# KiCad board Eclipse60.kicad_pcb (continued)
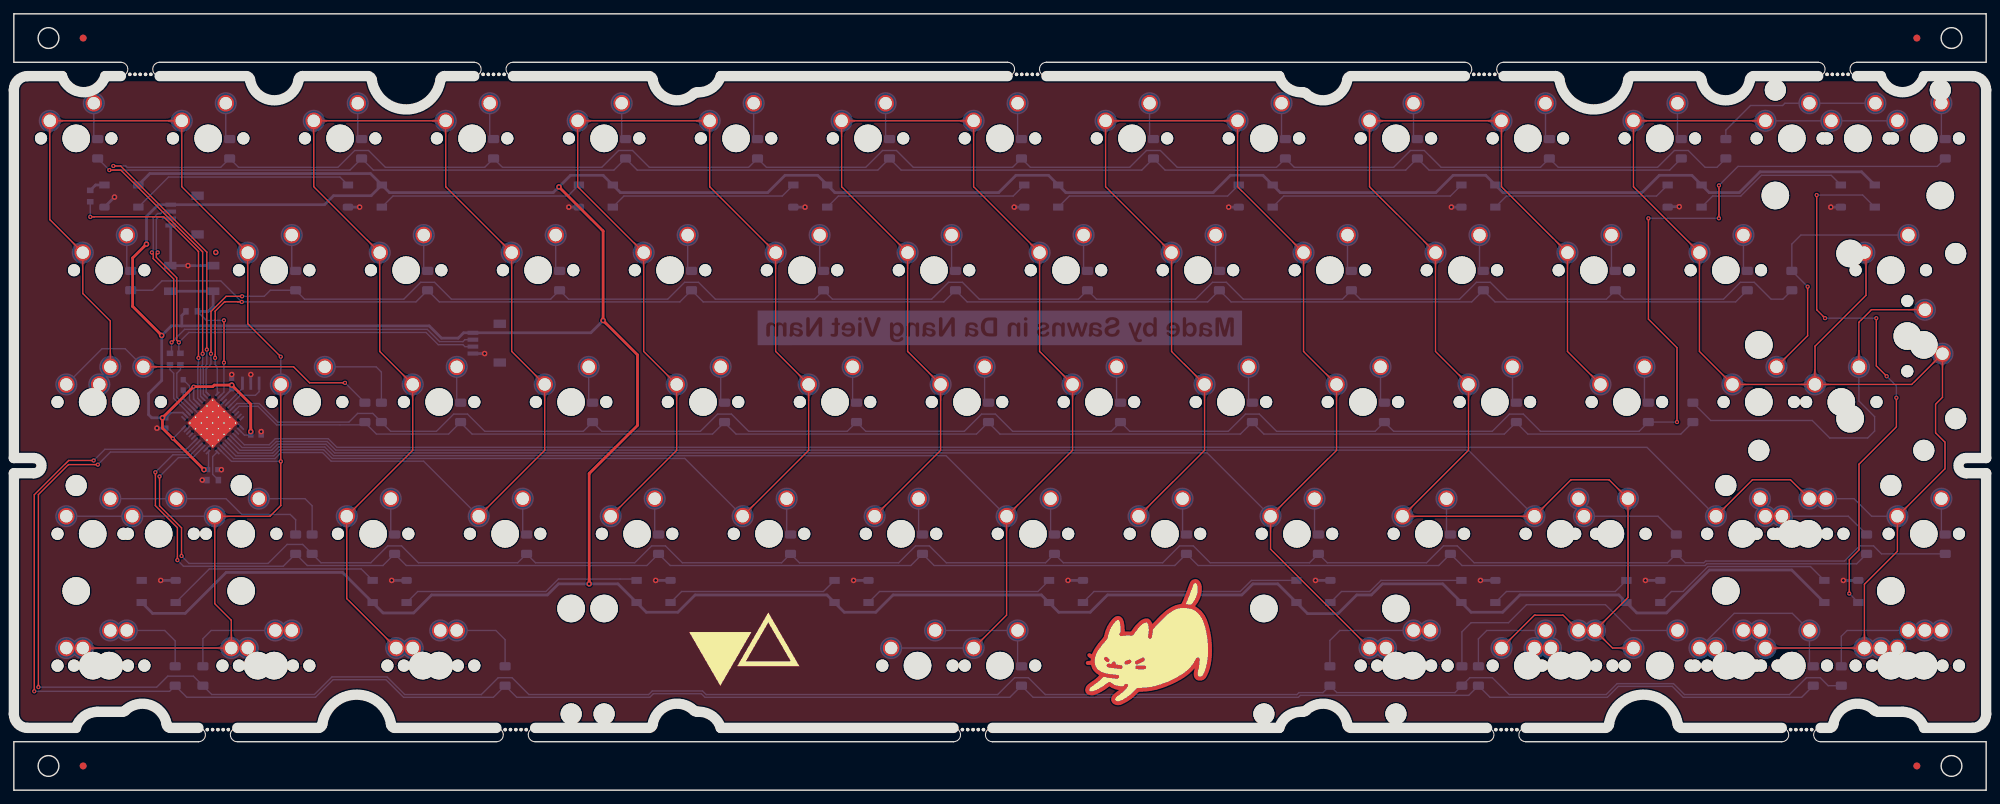
[diagram p0: board, top side]
## Copper pours and planes (outline as drawn; the poured copper is in the pictures) (continued)
Net-(D33-Pad2) on Top: 21.07,61.28 20.97,61.28 20.88,61.29 20.79,61.3 20.71,61.31 20.63,61.32 20.56,61.34 20.49,61.36 20.42,61.39 20.37,61.41 20.31,61.44 20.26,61.47 20.2,61.51 20.16,61.54 20.11,61.58 19.68,61.96 19.62,62 19.57,62.05 19.5,62.09 19.44,62.13 19.36,62.18 19.29,62.22 19.21,62.26 18.08,61.18 19.21,60.1 19.29,60.14 19.36,60.18 19.44,60.23 19.5,60.27 19.57,60.31 19.62,60.36 19.68,60.4 20.11,60.78 20.16,60.82 20.2,60.85 20.26,60.89 20.31,60.92 20.37,60.95 20.42,60.97 20.49,61 20.56,61.02 20.63,61.04 20.71,61.05 20.79,61.06 20.88,61.07 20.97,61.08 21.07,61.08
Net-(D33-Pad2) on Bottom: 16.36,63.36 16.45,63.27 16.54,63.17 16.61,63.08 16.68,62.99 16.74,62.9 16.79,62.81 16.83,62.73 16.87,62.65 16.9,62.56 16.92,62.48 16.94,62.4 16.96,62.32 16.97,62.24 16.98,62.16 16.98,62.08 16.99,62 17,61.58 17.01,61.49 17.01,61.39 17.02,61.3 17.04,61.2 17.05,61.1 17.08,60.99 17.1,60.88 17.13,60.77 17.17,60.65 19.25,60.61 19.21,62.69 19.09,62.73 18.98,62.76 18.87,62.79 18.76,62.81 18.66,62.83 18.56,62.84 18.47,62.85 18.38,62.86 18.29,62.86 17.86,62.87 17.78,62.88 17.7,62.89 17.62,62.89 17.54,62.91 17.46,62.92 17.38,62.94 17.3,62.97 17.22,63 17.13,63.03 17.05,63.08 16.96,63.13 16.88,63.19 16.79,63.25 16.69,63.33 16.6,63.41 16.5,63.51
Net-(D33-Pad2) on Bottom: 16.92,62.8 16.99,62.73 17.06,62.65 17.11,62.59 17.16,62.52 17.21,62.45 17.24,62.39 17.28,62.33 17.31,62.26 17.33,62.2 17.35,62.14 17.36,62.08 17.38,62.02 17.39,61.96 17.39,61.91 17.43,61.34 17.44,61.26 17.45,61.19 17.46,61.12 17.48,61.04 17.5,60.96 17.52,60.87 17.55,60.79 19.11,60.76 19.08,62.31 18.99,62.34 18.91,62.37 18.83,62.39 18.75,62.4 18.67,62.42 18.6,62.43 18.53,62.43 17.96,62.47 17.9,62.48 17.84,62.49 17.78,62.5 17.72,62.52 17.66,62.53 17.6,62.56 17.54,62.59 17.47,62.62 17.41,62.66 17.35,62.7 17.28,62.75 17.21,62.81 17.14,62.87 17.06,62.94
Net-(D33-Pad2) on Bottom: 9.19,60.4 9.12,60.33 9.05,60.27 8.98,60.21 8.91,60.16 8.84,60.12 8.78,60.08 8.72,60.05 8.66,60.02 8.59,59.99 8.53,59.98 8.47,59.96 8.42,59.95 8.36,59.94 8.3,59.93 7.73,59.89 7.66,59.89 7.58,59.88 7.51,59.86 7.43,59.85 7.35,59.83 7.26,59.8 7.18,59.77 7.15,58.22 8.7,58.25 8.73,58.33 8.76,58.42 8.78,58.5 8.79,58.58 8.81,58.65 8.82,58.72 8.82,58.8 8.86,59.37 8.87,59.42 8.88,59.48 8.89,59.54 8.91,59.6 8.93,59.66 8.95,59.72 8.98,59.79 9.01,59.85 9.05,59.91 9.09,59.98 9.14,60.05 9.2,60.11 9.26,60.19 9.33,60.26
Net-(D33-Pad2) on Bottom: 9.76,60.97 9.66,60.87 9.56,60.79 9.47,60.71 9.38,60.65 9.29,60.59 9.2,60.54 9.12,60.49 9.04,60.46 8.96,60.43 8.87,60.4 8.79,60.38 8.71,60.37 8.63,60.35 8.55,60.35 8.47,60.34 8.39,60.33 7.97,60.32 7.88,60.32 7.79,60.31 7.69,60.3 7.59,60.29 7.49,60.27 7.39,60.25 7.28,60.22 7.16,60.19 7.05,60.15 7.01,58.07 9.08,58.11 9.12,58.23 9.15,58.34 9.18,58.45 9.2,58.56 9.22,58.66 9.23,58.76 9.24,58.85 9.25,58.95 9.25,59.04 9.27,59.46 9.27,59.54 9.28,59.62 9.29,59.7 9.3,59.78 9.31,59.86 9.33,59.94 9.36,60.02 9.39,60.11 9.43,60.19 9.47,60.27 9.52,60.36 9.58,60.45 9.64,60.54 9.72,60.63 9.8,60.73 9.9,60.82
Net-(D33-Pad2) on Bottom: 49.76,56.77 50.11,55.8 50.88,55.79 50.87,56.57 49.9,56.91
Net-(D34-Pad2) on Bottom: 52.95,57.19 52.51,56.26 53.05,55.7 53.59,56.26 53.15,57.19
Net-(D34-Pad2) on Bottom: 48.07,61.28 47.93,61.28 47.8,61.29 47.68,61.3 47.57,61.32 47.47,61.34 47.37,61.37 47.28,61.4 47.2,61.43 47.12,61.47 47.05,61.5 46.97,61.55 46.91,61.59 46.84,61.64 46.78,61.69 46.72,61.74 46.66,61.8 46.35,62.09 46.28,62.15 46.21,62.21 46.14,62.27 46.06,62.33 45.97,62.39 45.88,62.45 45.79,62.51 45.68,62.56 45.57,62.62 44.08,61.18 45.57,59.74 45.68,59.8 45.79,59.85 45.88,59.91 45.97,59.97 46.06,60.03 46.14,60.09 46.21,60.15 46.28,60.21 46.35,60.27 46.66,60.56 46.72,60.62 46.78,60.67 46.84,60.72 46.91,60.77 46.97,60.81 47.05,60.85 47.12,60.89 47.2,60.93 47.28,60.96 47.37,60.99 47.47,61.02 47.57,61.04 47.68,61.06 47.8,61.07 47.93,61.08 48.07,61.08
Net-(D34-Pad2) on Bottom: 47.27,61.28 47.17,61.28 47.07,61.29 46.98,61.3 46.9,61.31 46.82,61.32 46.75,61.34 46.68,61.36 46.62,61.39 46.56,61.41 46.5,61.44 46.45,61.47 46.4,61.51 46.35,61.54 46.3,61.58 45.87,61.96 45.82,62 45.76,62.05 45.7,62.09 45.63,62.13 45.56,62.18 45.48,62.22 45.4,62.26 44.28,61.18 45.4,60.1 45.48,60.14 45.56,60.18 45.63,60.23 45.7,60.27 45.76,60.31 45.82,60.36 45.87,60.4 46.3,60.78 46.35,60.82 46.4,60.85 46.45,60.89 46.5,60.92 46.56,60.95 46.62,60.97 46.68,61 46.75,61.02 46.82,61.04 46.9,61.05 46.98,61.06 47.07,61.07 47.17,61.08 47.27,61.08
Net-(D35-Pad2) on Bottom: 64.03,57.99 64.03,58.13 64.04,58.25 64.05,58.37 64.07,58.48 64.09,58.59 64.11,58.68 64.14,58.77 64.18,58.86 64.21,58.94 64.25,59.01 64.3,59.08 64.34,59.15 64.39,59.22 64.44,59.28 64.49,59.34 64.54,59.4 64.84,59.71 64.9,59.78 64.96,59.85 65.02,59.92 65.08,60 65.14,60.08 65.2,60.17 65.25,60.27 65.31,60.37 65.37,60.48 63.93,61.98 62.49,60.48 62.54,60.37 62.6,60.27 62.66,60.17 62.72,60.08 62.78,60 62.84,59.92 62.9,59.85 62.96,59.78 63.02,59.71 63.31,59.4 63.36,59.34 63.42,59.28 63.47,59.22 63.51,59.15 63.56,59.08 63.6,59.01 63.64,58.94 63.68,58.86 63.71,58.77 63.74,58.68 63.77,58.59 63.79,58.48 63.8,58.37 63.82,58.25 63.82,58.13 63.83,57.99
Net-(D35-Pad2) on Bottom: 64.03,58.79 64.03,58.89 64.03,58.99 64.04,59.08 64.06,59.16 64.07,59.24 64.09,59.31 64.11,59.38 64.14,59.44 64.16,59.5 64.19,59.55 64.22,59.61 64.25,59.66 64.29,59.71 64.33,59.76 64.7,60.18 64.75,60.24 64.79,60.3 64.84,60.36 64.88,60.43 64.92,60.5 64.97,60.58 65.01,60.66 63.93,61.78 62.85,60.66 62.89,60.58 62.93,60.5 62.97,60.43 63.02,60.36 63.06,60.3 63.11,60.24 63.15,60.18 63.53,59.76 63.57,59.71 63.6,59.66 63.63,59.61 63.66,59.55 63.69,59.5 63.72,59.44 63.74,59.38 63.76,59.31 63.78,59.24 63.8,59.16 63.81,59.08 63.82,58.99 63.83,58.89 63.83,58.79
Net-(D36-Pad2) on Bottom: 83.08,57.99 83.08,58.13 83.09,58.25 83.1,58.37 83.12,58.48 83.14,58.59 83.16,58.68 83.19,58.77 83.23,58.86 83.26,58.94 83.3,59.01 83.35,59.08 83.39,59.15 83.44,59.22 83.49,59.28 83.54,59.34 83.59,59.4 83.89,59.71 83.95,59.78 84.01,59.85 84.07,59.92 84.13,60 84.19,60.08 84.25,60.17 84.3,60.27 84.36,60.37 84.42,60.48 82.98,61.98 81.54,60.48 81.59,60.37 81.65,60.27 81.71,60.17 81.77,60.08 81.83,60 81.89,59.92 81.95,59.85 82.01,59.78 82.07,59.71 82.36,59.4 82.41,59.34 82.47,59.28 82.52,59.22 82.56,59.15 82.61,59.08 82.65,59.01 82.69,58.94 82.73,58.86 82.76,58.77 82.79,58.68 82.82,58.59 82.84,58.48 82.85,58.37 82.87,58.25 82.87,58.13 82.88,57.99
Net-(D36-Pad2) on Bottom: 83.08,58.79 83.08,58.89 83.08,58.99 83.09,59.08 83.11,59.16 83.12,59.24 83.14,59.31 83.16,59.38 83.19,59.44 83.21,59.5 83.24,59.55 83.27,59.61 83.3,59.66 83.34,59.71 83.38,59.76 83.75,60.18 83.8,60.24 83.84,60.3 83.89,60.36 83.93,60.43 83.97,60.5 84.02,60.58 84.06,60.66 82.98,61.78 81.9,60.66 81.94,60.58 81.98,60.5 82.02,60.43 82.07,60.36 82.11,60.3 82.16,60.24 82.2,60.18 82.58,59.76 82.62,59.71 82.65,59.66 82.68,59.61 82.71,59.55 82.74,59.5 82.77,59.44 82.79,59.38 82.81,59.31 82.83,59.24 82.85,59.16 82.86,59.08 82.87,58.99 82.88,58.89 82.88,58.79
Net-(D37-Pad2) on Bottom: 102.13,57.99 102.13,58.13 102.14,58.25 102.15,58.37 102.17,58.48 102.19,58.59 102.21,58.68 102.24,58.77 102.28,58.86 102.31,58.94 102.35,59.01 102.4,59.08 102.44,59.15 102.49,59.22 102.54,59.28 102.59,59.34 102.64,59.4 102.94,59.71 103,59.78 103.06,59.85 103.12,59.92 103.18,60 103.24,60.08 103.3,60.17 103.35,60.27 103.41,60.37 103.47,60.48 102.03,61.98 100.59,60.48 100.64,60.37 100.7,60.27 100.76,60.17 100.82,60.08 100.88,60 100.94,59.92 101,59.85 101.06,59.78 101.12,59.71 101.41,59.4 101.46,59.34 101.52,59.28 101.57,59.22 101.61,59.15 101.66,59.08 101.7,59.01 101.74,58.94 101.78,58.86 101.81,58.77 101.84,58.68 101.87,58.59 101.89,58.48 101.9,58.37 101.92,58.25 101.92,58.13 101.93,57.99
Net-(D37-Pad2) on Bottom: 102.13,58.79 102.13,58.89 102.13,58.99 102.14,59.08 102.16,59.16 102.17,59.24 102.19,59.31 102.21,59.38 102.24,59.44 102.26,59.5 102.29,59.55 102.32,59.61 102.35,59.66 102.39,59.71 102.43,59.76 102.8,60.18 102.85,60.24 102.89,60.3 102.94,60.36 102.98,60.43 103.02,60.5 103.07,60.58 103.11,60.66 102.03,61.78 100.95,60.66 100.99,60.58 101.03,60.5 101.07,60.43 101.12,60.36 101.16,60.3 101.21,60.24 101.25,60.18 101.63,59.76 101.67,59.71 101.7,59.66 101.73,59.61 101.76,59.55 101.79,59.5 101.82,59.44 101.84,59.38 101.86,59.31 101.88,59.24 101.9,59.16 101.91,59.08 101.92,58.99 101.93,58.89 101.93,58.79
Net-(D38-Pad2) on Bottom: 121.18,57.99 121.18,58.13 121.19,58.25 121.2,58.37 121.22,58.48 121.24,58.59 121.26,58.68 121.29,58.77 121.33,58.86 121.36,58.94 121.4,59.01 121.45,59.08 121.49,59.15 121.54,59.22 121.59,59.28 121.64,59.34 121.69,59.4 121.99,59.71 122.05,59.78 122.11,59.85 122.17,59.92 122.23,60 122.29,60.08 122.35,60.17 122.4,60.27 122.46,60.37 122.52,60.48 121.08,61.98 119.64,60.48 119.69,60.37 119.75,60.27 119.81,60.17 119.87,60.08 119.93,60 119.99,59.92 120.05,59.85 120.11,59.78 120.17,59.71 120.46,59.4 120.51,59.34 120.57,59.28 120.62,59.22 120.66,59.15 120.71,59.08 120.75,59.01 120.79,58.94 120.83,58.86 120.86,58.77 120.89,58.68 120.92,58.59 120.94,58.48 120.95,58.37 120.97,58.25 120.97,58.13 120.98,57.99
Net-(D38-Pad2) on Bottom: 121.18,58.79 121.18,58.89 121.18,58.99 121.19,59.08 121.21,59.16 121.22,59.24 121.24,59.31 121.26,59.38 121.29,59.44 121.31,59.5 121.34,59.55 121.37,59.61 121.4,59.66 121.44,59.71 121.48,59.76 121.85,60.18 121.9,60.24 121.94,60.3 121.99,60.36 122.03,60.43 122.07,60.5 122.12,60.58 122.16,60.66 121.08,61.78 120,60.66 120.04,60.58 120.08,60.5 120.12,60.43 120.17,60.36 120.21,60.3 120.26,60.24 120.3,60.18 120.68,59.76 120.72,59.71 120.75,59.66 120.78,59.61 120.81,59.55 120.84,59.5 120.87,59.44 120.89,59.38 120.91,59.31 120.93,59.24 120.95,59.16 120.96,59.08 120.97,58.99 120.98,58.89 120.98,58.79
Net-(D39-Pad2) on Bottom: 140.23,57.99 140.23,58.13 140.24,58.25 140.25,58.37 140.27,58.48 140.29,58.59 140.31,58.68 140.34,58.77 140.38,58.86 140.41,58.94 140.45,59.01 140.5,59.08 140.54,59.15 140.59,59.22 140.64,59.28 140.69,59.34 140.74,59.4 141.04,59.71 141.1,59.78 141.16,59.85 141.22,59.92 141.28,60 141.34,60.08 141.4,60.17 141.45,60.27 141.51,60.37 141.57,60.48 140.13,61.98 138.69,60.48 138.74,60.37 138.8,60.27 138.86,60.17 138.92,60.08 138.98,60 139.04,59.92 139.1,59.85 139.16,59.78 139.22,59.71 139.51,59.4 139.56,59.34 139.62,59.28 139.67,59.22 139.71,59.15 139.76,59.08 139.8,59.01 139.84,58.94 139.88,58.86 139.91,58.77 139.94,58.68 139.97,58.59 139.99,58.48 140,58.37 140.02,58.25 140.02,58.13 140.03,57.99
Net-(D39-Pad2) on Bottom: 140.23,58.79 140.23,58.89 140.23,58.99 140.24,59.08 140.26,59.16 140.27,59.24 140.29,59.31 140.31,59.38 140.34,59.44 140.36,59.5 140.39,59.55 140.42,59.61 140.45,59.66 140.49,59.71 140.53,59.76 140.9,60.18 140.95,60.24 140.99,60.3 141.04,60.36 141.08,60.43 141.12,60.5 141.17,60.58 141.21,60.66 140.13,61.78 139.05,60.66 139.09,60.58 139.13,60.5 139.17,60.43 139.22,60.36 139.26,60.3 139.31,60.24 139.35,60.18 139.73,59.76 139.77,59.71 139.8,59.66 139.83,59.61 139.86,59.55 139.89,59.5 139.92,59.44 139.94,59.38 139.96,59.31 139.98,59.24 140,59.16 140.01,59.08 140.02,58.99 140.03,58.89 140.03,58.79
Net-(D40-Pad2) on Bottom: 159.28,57.99 159.28,58.13 159.29,58.25 159.3,58.37 159.32,58.48 159.34,58.59 159.36,58.68 159.39,58.77 159.43,58.86 159.46,58.94 159.5,59.01 159.55,59.08 159.59,59.15 159.64,59.22 159.69,59.28 159.74,59.34 159.79,59.4 160.09,59.71 160.15,59.78 160.21,59.85 160.27,59.92 160.33,60 160.39,60.08 160.45,60.17 160.5,60.27 160.56,60.37 160.62,60.48 159.18,61.98 157.74,60.48 157.79,60.37 157.85,60.27 157.91,60.17 157.97,60.08 158.03,60 158.09,59.92 158.15,59.85 158.21,59.78 158.27,59.71 158.56,59.4 158.61,59.34 158.67,59.28 158.72,59.22 158.76,59.15 158.81,59.08 158.85,59.01 158.89,58.94 158.93,58.86 158.96,58.77 158.99,58.68 159.02,58.59 159.04,58.48 159.05,58.37 159.07,58.25 159.07,58.13 159.08,57.99
Net-(D40-Pad2) on Bottom: 159.28,58.79 159.28,58.89 159.28,58.99 159.29,59.08 159.31,59.16 159.32,59.24 159.34,59.31 159.36,59.38 159.39,59.44 159.41,59.5 159.44,59.55 159.47,59.61 159.5,59.66 159.54,59.71 159.58,59.76 159.95,60.18 160,60.24 160.04,60.3 160.09,60.36 160.13,60.43 160.17,60.5 160.22,60.58 160.26,60.66 159.18,61.78 158.1,60.66 158.14,60.58 158.18,60.5 158.22,60.43 158.27,60.36 158.31,60.3 158.36,60.24 158.4,60.18 158.78,59.76 158.82,59.71 158.85,59.66 158.88,59.61 158.91,59.55 158.94,59.5 158.97,59.44 158.99,59.38 159.01,59.31 159.03,59.24 159.05,59.16 159.06,59.08 159.07,58.99 159.08,58.89 159.08,58.79
Net-(D41-Pad2) on Bottom: 178.33,57.99 178.33,58.13 178.34,58.25 178.35,58.37 178.37,58.48 178.39,58.59 178.41,58.68 178.44,58.77 178.48,58.86 178.51,58.94 178.55,59.01 178.6,59.08 178.64,59.15 178.69,59.22 178.74,59.28 178.79,59.34 178.84,59.4 179.14,59.71 179.2,59.78 179.26,59.85 179.32,59.92 179.38,60 179.44,60.08 179.5,60.17 179.55,60.27 179.61,60.37 179.67,60.48 178.23,61.98 176.79,60.48 176.84,60.37 176.9,60.27 176.96,60.17 177.02,60.08 177.08,60 177.14,59.92 177.2,59.85 177.26,59.78 177.32,59.71 177.61,59.4 177.66,59.34 177.72,59.28 177.77,59.22 177.81,59.15 177.86,59.08 177.9,59.01 177.94,58.94 177.98,58.86 178.01,58.77 178.04,58.68 178.07,58.59 178.09,58.48 178.1,58.37 178.12,58.25 178.12,58.13 178.13,57.99
Net-(D41-Pad2) on Bottom: 178.33,58.79 178.33,58.89 178.33,58.99 178.34,59.08 178.36,59.16 178.37,59.24 178.39,59.31 178.41,59.38 178.44,59.44 178.46,59.5 178.49,59.55 178.52,59.61 178.55,59.66 178.59,59.71 178.63,59.76 179,60.18 179.05,60.24 179.09,60.3 179.14,60.36 179.18,60.43 179.22,60.5 179.27,60.58 179.31,60.66 178.23,61.78 177.15,60.66 177.19,60.58 177.23,60.5 177.27,60.43 177.32,60.36 177.36,60.3 177.41,60.24 177.45,60.18 177.83,59.76 177.87,59.71 177.9,59.66 177.93,59.61 177.96,59.55 177.99,59.5 178.02,59.44 178.04,59.38 178.06,59.31 178.08,59.24 178.1,59.16 178.11,59.08 178.12,58.99 178.13,58.89 178.13,58.79
Net-(D42-Pad2) on Bottom: 197.38,57.99 197.38,58.13 197.39,58.25 197.4,58.37 197.42,58.48 197.44,58.59 197.46,58.68 197.49,58.77 197.53,58.86 197.56,58.94 197.6,59.01 197.65,59.08 197.69,59.15 197.74,59.22 197.79,59.28 197.84,59.34 197.89,59.4 198.19,59.71 198.25,59.78 198.31,59.85 198.37,59.92 198.43,60 198.49,60.08 198.55,60.17 198.6,60.27 198.66,60.37 198.72,60.48 197.28,61.98 195.84,60.48 195.89,60.37 195.95,60.27 196.01,60.17 196.07,60.08 196.13,60 196.19,59.92 196.25,59.85 196.31,59.78 196.37,59.71 196.66,59.4 196.71,59.34 196.77,59.28 196.82,59.22 196.86,59.15 196.91,59.08 196.95,59.01 196.99,58.94 197.03,58.86 197.06,58.77 197.09,58.68 197.12,58.59 197.14,58.48 197.15,58.37 197.17,58.25 197.17,58.13 197.18,57.99
Net-(D42-Pad2) on Bottom: 197.38,58.79 197.38,58.89 197.38,58.99 197.39,59.08 197.41,59.16 197.42,59.24 197.44,59.31 197.46,59.38 197.49,59.44 197.51,59.5 197.54,59.55 197.57,59.61 197.6,59.66 197.64,59.71 197.68,59.76 198.05,60.18 198.1,60.24 198.14,60.3 198.19,60.36 198.23,60.43 198.27,60.5 198.32,60.58 198.36,60.66 197.28,61.78 196.2,60.66 196.24,60.58 196.28,60.5 196.32,60.43 196.37,60.36 196.41,60.3 196.46,60.24 196.5,60.18 196.88,59.76 196.92,59.71 196.95,59.66 196.98,59.61 197.01,59.55 197.04,59.5 197.07,59.44 197.09,59.38 197.11,59.31 197.13,59.24 197.15,59.16 197.16,59.08 197.17,58.99 197.18,58.89 197.18,58.79
Net-(D43-Pad2) on Bottom: 216.43,57.99 216.43,58.13 216.44,58.25 216.45,58.37 216.47,58.48 216.49,58.59 216.51,58.68 216.54,58.77 216.58,58.86 216.61,58.94 216.65,59.01 216.7,59.08 216.74,59.15 216.79,59.22 216.84,59.28 216.89,59.34 216.94,59.4 217.24,59.71 217.3,59.78 217.36,59.85 217.42,59.92 217.48,60 217.54,60.08 217.6,60.17 217.65,60.27 217.71,60.37 217.77,60.48 216.33,61.98 214.89,60.48 214.94,60.37 215,60.27 215.06,60.17 215.12,60.08 215.18,60 215.24,59.92 215.3,59.85 215.36,59.78 215.42,59.71 215.71,59.4 215.76,59.34 215.82,59.28 215.87,59.22 215.91,59.15 215.96,59.08 216,59.01 216.04,58.94 216.08,58.86 216.11,58.77 216.14,58.68 216.17,58.59 216.19,58.48 216.2,58.37 216.22,58.25 216.22,58.13 216.23,57.99
Net-(D43-Pad2) on Bottom: 216.43,58.79 216.43,58.89 216.43,58.99 216.44,59.08 216.46,59.16 216.47,59.24 216.49,59.31 216.51,59.38 216.54,59.44 216.56,59.5 216.59,59.55 216.62,59.61 216.65,59.66 216.69,59.71 216.73,59.76 217.1,60.18 217.15,60.24 217.19,60.3 217.24,60.36 217.28,60.43 217.32,60.5 217.37,60.58 217.41,60.66 216.33,61.78 215.25,60.66 215.29,60.58 215.33,60.5 215.37,60.43 215.42,60.36 215.46,60.3 215.51,60.24 215.55,60.18 215.93,59.76 215.97,59.71 216,59.66 216.03,59.61 216.06,59.55 216.09,59.5 216.12,59.44 216.14,59.38 216.16,59.31 216.18,59.24 216.2,59.16 216.21,59.08 216.22,58.99 216.23,58.89 216.23,58.79
Net-(D44-Pad2) on Bottom: 235.48,57.99 235.48,58.13 235.49,58.25 235.5,58.37 235.52,58.48 235.54,58.59 235.56,58.68 235.59,58.77 235.63,58.86 235.66,58.94 235.7,59.01 235.75,59.08 235.79,59.15 235.84,59.22 235.89,59.28 235.94,59.34 235.99,59.4 236.29,59.71 236.35,59.78 236.41,59.85 236.47,59.92 236.53,60 236.59,60.08 236.65,60.17 236.7,60.27 236.76,60.37 236.82,60.48 235.38,61.98 233.94,60.48 233.99,60.37 234.05,60.27 234.11,60.17 234.17,60.08 234.23,60 234.29,59.92 234.35,59.85 234.41,59.78 234.47,59.71 234.76,59.4 234.81,59.34 234.87,59.28 234.92,59.22 234.96,59.15 235.01,59.08 235.05,59.01 235.09,58.94 235.13,58.86 235.16,58.77 235.19,58.68 235.22,58.59 235.24,58.48 235.25,58.37 235.27,58.25 235.27,58.13 235.28,57.99
Net-(D44-Pad2) on Bottom: 235.48,58.79 235.48,58.89 235.48,58.99 235.49,59.08 235.51,59.16 235.52,59.24 235.54,59.31 235.56,59.38 235.59,59.44 235.61,59.5 235.64,59.55 235.67,59.61 235.7,59.66 235.74,59.71 235.78,59.76 236.15,60.18 236.2,60.24 236.24,60.3 236.29,60.36 236.33,60.43 236.37,60.5 236.42,60.58 236.46,60.66 235.38,61.78 234.3,60.66 234.34,60.58 234.38,60.5 234.42,60.43 234.47,60.36 234.51,60.3 234.56,60.24 234.6,60.18 234.98,59.76 235.02,59.71 235.05,59.66 235.08,59.61 235.11,59.55 235.14,59.5 235.17,59.44 235.19,59.38 235.21,59.31 235.23,59.24 235.25,59.16 235.26,59.08 235.27,58.99 235.28,58.89 235.28,58.79
Net-(D45-Pad2) on Top: 273.47,69.33 273.57,69.33 273.67,69.33 273.75,69.32 273.84,69.31 273.91,69.29 273.99,69.27 274.05,69.25 274.12,69.23 274.18,69.2 274.23,69.17 274.29,69.14 274.34,69.11 274.39,69.07 274.43,69.04 274.86,68.66 274.92,68.61 274.98,68.57 275.04,68.53 275.11,68.48 275.18,68.44 275.25,68.4 275.34,68.35 276.46,69.43 275.34,70.51 275.25,70.47 275.18,70.43 275.11,70.39 275.04,70.34 274.98,70.3 274.92,70.26 274.86,70.21 274.43,69.83 274.39,69.8 274.34,69.76 274.29,69.73 274.23,69.7 274.18,69.67 274.12,69.64 274.05,69.62 273.99,69.6 273.91,69.58 273.84,69.56 273.75,69.55 273.67,69.54 273.57,69.54 273.47,69.53
Net-(D45-Pad2) on Top: 266.23,63.57 266.23,63.47 266.23,63.37 266.22,63.28 266.21,63.2 266.19,63.12 266.17,63.05 266.15,62.98 266.13,62.92 266.1,62.86 266.07,62.81 266.04,62.75 266.01,62.7 265.97,62.65 265.94,62.6 265.56,62.18 265.51,62.12 265.47,62.06 265.42,62 265.38,61.93 265.34,61.86 265.3,61.78 265.25,61.7 266.33,60.58 267.41,61.7 267.37,61.78 267.33,61.86 267.29,61.93 267.24,62 267.2,62.06 267.15,62.12 267.11,62.18 266.73,62.6 266.7,62.65 266.66,62.7 266.63,62.75 266.6,62.81 266.57,62.86 266.54,62.92 266.52,62.98 266.5,63.05 266.48,63.12 266.46,63.2 266.45,63.28 266.44,63.37 266.44,63.47 266.43,63.57
Net-(D45-Pad2) on Bottom: 266.43,58.79 266.44,58.89 266.44,58.99 266.45,59.08 266.46,59.16 266.48,59.24 266.5,59.31 266.52,59.38 266.54,59.44 266.57,59.5 266.6,59.55 266.63,59.61 266.66,59.66 266.7,59.71 266.73,59.76 267.11,60.18 267.15,60.24 267.2,60.3 267.24,60.36 267.29,60.43 267.33,60.5 267.37,60.58 267.41,60.66 266.33,61.78 265.25,60.66 265.3,60.58 265.34,60.5 265.38,60.43 265.42,60.36 265.47,60.3 265.51,60.24 265.56,60.18 265.94,59.76 265.97,59.71 266.01,59.66 266.04,59.61 266.07,59.55 266.1,59.5 266.13,59.44 266.15,59.38 266.17,59.31 266.19,59.24 266.21,59.16 266.22,59.08 266.23,58.99 266.23,58.89 266.23,58.79
Net-(D45-Pad2) on Bottom: 266.43,57.99 266.44,58.13 266.44,58.25 266.46,58.37 266.47,58.48 266.49,58.59 266.52,58.68 266.55,58.77 266.58,58.86 266.62,58.94 266.66,59.01 266.7,59.08 266.75,59.15 266.79,59.22 266.84,59.28 266.9,59.34 266.95,59.4 267.24,59.71 267.3,59.78 267.36,59.85 267.42,59.92 267.48,60 267.54,60.08 267.6,60.17 267.66,60.27 267.72,60.37 267.77,60.48 266.33,61.98 264.89,60.48 264.95,60.37 265.01,60.27 265.07,60.17 265.12,60.08 265.18,60 265.24,59.92 265.31,59.85 265.37,59.78 265.43,59.71 265.72,59.4 265.77,59.34 265.82,59.28 265.87,59.22 265.92,59.15 265.97,59.08 266.01,59.01 266.05,58.94 266.08,58.86 266.12,58.77 266.15,58.68 266.17,58.59 266.19,58.48 266.21,58.37 266.22,58.25 266.23,58.13 266.23,57.99
Net-(D45-Pad2) on Bottom: 243.27,55.23 242.93,56.2 242.15,56.21 242.17,55.43 243.13,55.09
Net-(D49-Pad2) on Bottom: 17.11,42.23 16.97,42.23 16.85,42.24 16.73,42.25 16.62,42.27 16.51,42.29 16.42,42.32 16.33,42.35 16.24,42.38 16.16,42.42 16.09,42.45 16.02,42.5 15.95,42.54 15.89,42.59 15.82,42.64 15.76,42.69 15.7,42.75 15.39,43.04 15.32,43.1 15.25,43.16 15.18,43.22 15.1,43.28 15.02,43.34 14.93,43.4 14.83,43.46 14.73,43.51 14.62,43.57 13.12,42.13 14.62,40.69 14.73,40.75 14.83,40.8 14.93,40.86 15.02,40.92 15.1,40.98 15.18,41.04 15.25,41.1 15.32,41.16 15.39,41.22 15.7,41.51 15.76,41.57 15.82,41.62 15.89,41.67 15.95,41.72 16.02,41.76 16.09,41.8 16.16,41.84 16.24,41.88 16.33,41.91 16.42,41.94 16.51,41.97 16.62,41.99 16.73,42.01 16.85,42.02 16.97,42.03 17.11,42.03
Net-(D49-Pad2) on Bottom: 16.31,42.23 16.21,42.23 16.11,42.24 16.03,42.25 15.94,42.26 15.87,42.27 15.79,42.29 15.73,42.31 15.66,42.34 15.6,42.36 15.55,42.39 15.49,42.42 15.44,42.46 15.39,42.49 15.35,42.53 14.92,42.91 14.86,42.95 14.8,43 14.74,43.04 14.67,43.08 14.6,43.13 14.53,43.17 14.44,43.21 13.32,42.13 14.44,41.05 14.53,41.09 14.6,41.13 14.67,41.18 14.74,41.22 14.8,41.26 14.86,41.31 14.92,41.35 15.35,41.73 15.39,41.77 15.44,41.8 15.49,41.84 15.55,41.87 15.6,41.9 15.66,41.92 15.73,41.95 15.79,41.97 15.87,41.99 15.94,42 16.03,42.01 16.11,42.02 16.21,42.03 16.31,42.03
Net-(D49-Pad2) on Bottom: 20.26,42.03 20.39,42.03 20.52,42.02 20.64,42.01 20.75,41.99 20.85,41.97 20.95,41.94 21.04,41.91 21.12,41.88 21.2,41.84 21.28,41.8 21.35,41.76 21.42,41.72 21.48,41.67 21.55,41.62 21.61,41.57 21.67,41.51 21.98,41.22 22.04,41.16 22.11,41.1 22.19,41.04 22.27,40.98 22.35,40.92 22.44,40.86 22.54,40.8 22.64,40.75 22.75,40.69 24.25,42.13 22.75,43.57 22.64,43.51 22.54,43.46 22.44,43.4 22.35,43.34 22.27,43.28 22.19,43.22 22.11,43.16 22.04,43.1 21.98,43.04 21.67,42.75 21.61,42.69 21.55,42.64 21.48,42.59 21.42,42.54 21.35,42.5 21.28,42.45 21.2,42.42 21.12,42.38 21.04,42.35 20.95,42.32 20.85,42.29 20.75,42.27 20.64,42.25 20.52,42.24 20.39,42.23 20.26,42.23
Net-(D49-Pad2) on Bottom: 21.06,42.03 21.16,42.03 21.25,42.02 21.34,42.01 21.42,42 21.5,41.99 21.57,41.97 21.64,41.95 21.71,41.92 21.76,41.9 21.82,41.87 21.87,41.84 21.93,41.8 21.97,41.77 22.02,41.73 22.45,41.35 22.51,41.31 22.56,41.26 22.63,41.22 22.69,41.18 22.77,41.13 22.84,41.09 22.92,41.05 24.05,42.13 22.92,43.21 22.84,43.17 22.77,43.13 22.69,43.08 22.63,43.04 22.56,43 22.51,42.95 22.45,42.91 22.02,42.53 21.97,42.49 21.93,42.46 21.87,42.42 21.82,42.39 21.76,42.36 21.71,42.34 21.64,42.31 21.57,42.29 21.5,42.27 21.42,42.26 21.34,42.25 21.25,42.24 21.16,42.23 21.06,42.23